# KiCad board panel.kicad_pcb (continued)
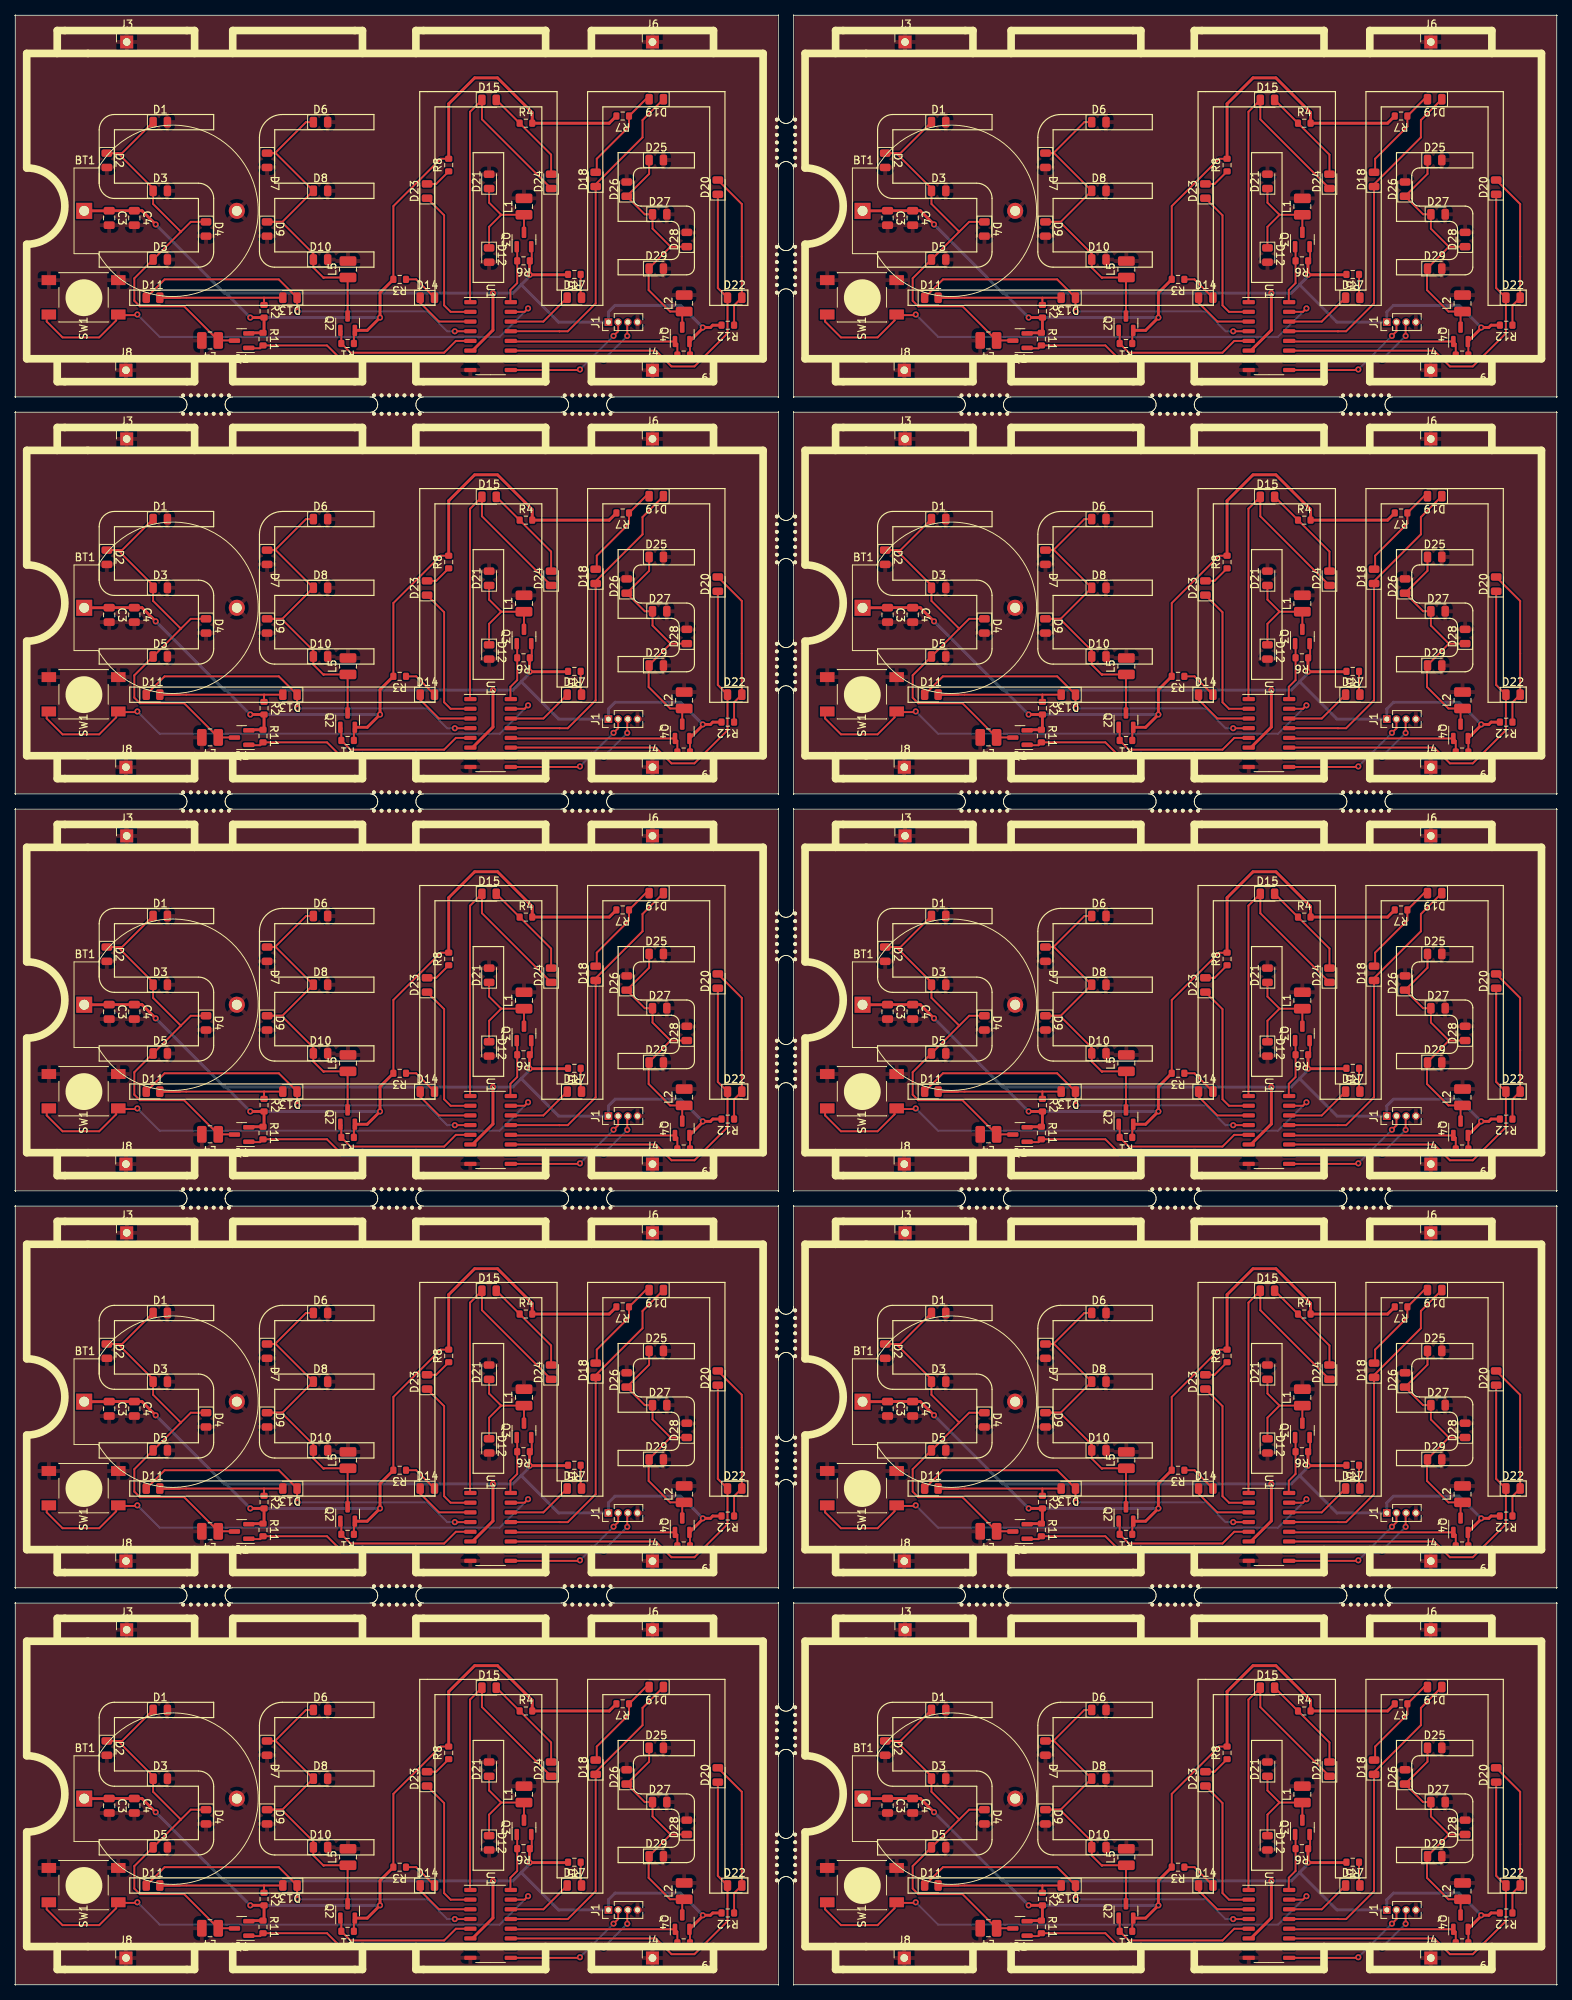
[diagram p0: board, top side]
## Routing (per net, layer and track width the routed paths; a pad name or vN(x,y) marks a point on that pad's centre or on a via; arc(x,y) is an arc through that point) (continued)
Board_7-/LED_EN_5: length 23.5
  Top w0.25: R9#8.2 188.77,58.95 Q4#8.1
  Top w0.254: Q4#8.1 167.01,59.26 U1#8.12
Board_7-/LED_EN_E: length 19.8
  Top w0.254: Q2#8.1 144.72,60.6 144.72,59 145.93,57.8 158.2,57.8 159.74,59.34 U1#8.5
Board_7-/LED_EN_M1: length 47.3
  Top w0.254: v1(159.6,60.6) 161.63,60.6 U1#8.4 ; v1(139,63.2) 138.94,63.26 D13#8.1 136.54,67.4 121.57,67.4 D11#8.1
  Bottom w0.254: v1(139,63.2) 156,63.2 158.6,60.6 v1(159.6,60.6)
Board_7-/LED_EN_M2: length 8.3
  Top w0.254: D14#8.1 155.06,64.34 157.52,61.88 U1#8.3
Board_7-/LED_EN_M3: length 18.8
  Top w0.254: D23#8.1 158.2,75.8 158.2,64 159.05,63.15 U1#8.2
Board_7-/LED_EN_M4: length 42.5
  Top w0.254: D24#8.1 163.15,88.37 D15#8.1 161.6,89.36 161.6,64.45 U1#8.1
Board_7-/LED_EN_M5: length 8.7
  Top w0.254: D17#8.1 171.21,61.88 U1#8.14
Board_7-/LED_EN_M6: length 43.1
  Top w0.254: U1#8.13 173.32,60.61 173.33,60.6 174.4,60.6 178.06,64.26 D18#8.1 178.06,79.86 184.2,86 184.2,88.26 D19#8.1
Board_7-/LED_EN_M7: length 49.8
  Top w0.254: D20#8.1 194.06,66.27 D22#8.1 195.33,60.33 191,56 188,56 185.93,58.07 U1#8.11
Board_7-/LED_EN_S: length 30
  Top w0.254: 161.63,56.8 U1#8.7 144.8,56.8 142.85,58.75 R11#8.2 134.09,58.38 132.65,58.38 Q1#8.1
Board_7-/P3.0: length 17.4
  Top w0.254: U1#8.9 175.93,55.53 v1(176,55.6) ; v1(180.4,60) 181,60.6 J1#8.2
  Bottom w0.254: v1(176,55.6) v1(180.4,60)
Board_7-/P3.1: length 18.4
  Top w0.254: J1#8.3 182.2,61.73 v1(182.2,59.99) ; v1(179.11,56.89) 179.01,56.8 U1#8.10
  Bottom w0.254: v1(179.11,56.89) v1(182.2,59.99)
Board_7-/SW_IN: length 71.6
  Top w0.254: 106.12,62.72 106.12,61.88 108.2,59.8 113,59.8 115.22,62.02 115.22,62.72 117.92,62.72 v1(118,62.8) ; v1(169.2,63.6) 168.75,63.15 U1#8.15
  Bottom w0.254: v1(118,62.8) 120.93,59.87 165.47,59.87 v1(169.2,63.6)
Board_7-Net-(D1-K): length 52.2
  Top w0.25: 115.44,83.94 116,83.94 D1#8.1 ; 115.44,83.94 D2#8.1 ; 115.44,83.94 120.06,79.31 D3#5.1 120.06,77.28 123.7,73.64 ; D4#8.1 125,74.94 123.7,73.64 ; 123.7,73.64 D5#8.1
  Top w0.254: Q1#8.3 130.7,59.4 L4#8.1 124.13,63.87 118.33,63.87 117.6,64.6 117.6,67.54 D5#8.1
Board_7-Net-(D10-K): length 43.4
  Top w0.25: D10#8.1 141.06,70.76 136.89,74.94 D9#8.1 137,74.94 D8#8.1 136.12,83.94 D7#8.1 136.04,83.94 140.1,88 D6#7.1
  Top w0.254: D10#8.1 141.06,68.94 142.4,67.6 142.45,67.65 L5#8.1 145.55,67.6 Q2#8.3
Board_7-Net-(D11-A): length 19.7
  Top w0.25: D13#8.2 D11#8.2
  Top w0.254: R2#8.1 134.6,65 ; D11#8.2 123.58,65
Board_7-Net-(D12-K): length 14.4
  Top w0.25: 165.68,75.87 164.09,74.28 D12#8.1 ; 165.68,75.87 164.09,77.45 D21#8.1 ; 165.68,75.87 L1#8.1 Q3#8.3
Board_7-Net-(D14-A): length 4.9
  Top w0.254: R3#8.1 154.54,67.4 D14#8.2 157.04,64.89
Board_7-Net-(D15-A): length 12.7
  Top w0.254: D24#8.2 172.22,83.74 165.04,90.91 D15#8.2
  Top w0.381: 168.09,87.86 168.08,87.86
Board_7-Net-(D17-A): length 3.1
  Top w0.254: R5#8.1 176.09,65.11 D17#8.2
Board_7-Net-(D18-A): length 12.8
  Top w0.254: D19#8.2 184.62,91 R7#8.1 182.43,87.43 178.2,83.2 178.2,81.57 D18#8.2 ; 185.14,91.2 185.17,91.16
Board_7-Net-(D20-A): length 20.7
  Top w0.254: R12#8.1 196.2,63.99 D22#8.2 197.21,77.27 D20#8.2
Board_7-Net-(D23-A): length 3.5
  Top w0.254: D23#8.2 157.16,79.91 R8#8.1
Board_7-Net-(D25-K): length 32.5
  Top w0.25: 185,66 185,68.81 187.87,71.68 ; Q4#8.3 189.4,62.94 189.65,63.19 ; 187.87,71.68 D28#8.1 ; 187.87,71.68 185.51,74.05 D27.1 184.49,75.92 D26#8.1
  Top w0.254: 185,66 187.81,63.19 189.65,63.19 ; D25#8.1 185.06,81.22 D26#8.1
Board_7-VCC: length 210.6
  Top w0.25: R6#8.1 169.68,70.08 169.68,71.62 Q3#8.2 ; Q4#8.2 190.42,59.2 R9#8.1
  Top w0.254: R1#8.1 146.38,60.6 Q2#8.2 ; R8#8.2 157.75,83.2 151.55,77 R3#8.2
  Top w0.381: 117.41,76.38 117.61,76.18 ; v1(132.8,62.4) R2#8.2 134.6,60.54 R11#8.1 132.68,60.4 Q1#8.2 ; Q2#8.2 148.12,60.72 v1(149.8,62.4) 149.8,65.65 R3#8.2 ; R5#8.2 174.39,68 v1(169.4,68) 169.4,69.8 R6#8.1 ; v1(164.6,65.6) 164.6,60.75 161.91,58.07 U1#8.6 ; R8#8.2 158.8,90.4 162.2,93.8 165.2,93.8 169.74,89.26 R4#8.2 179.84,87.86 R7#8.2 ; R12#8.2 193.4,61.4 193.1,61.1 v1(192.1,61.1) 192.1,61.01 Q4#8.2 ; BT1#8.1 114.29,76.38 C3#8.1 C4#8.1 118.6,76.4 v1(120.4,74.6)
  Bottom w0.381: 168.3,66.7 169.4,67.8 v1(169.4,68) ; 168.3,66.7 173.2,61.8 J1#8.1 179.73,63.13 180.6,64 189.2,64 v1(192.1,61.1) ; 168.3,66.7 167.2,65.6 v1(164.6,65.6) 129.4,65.6 129.2,65.8 ; 129.2,65.8 129.4,65.8 v1(132.8,62.4) v1(149.8,62.4) ; 129.2,65.8 v1(120.4,74.6)
Board_8-/LED_EN_1: length 7.7
  Top w0.25: U1#9.16 64.89,12.47 64.89,14.02 65.78,14.91 R6#9.2 65.78,19.62 Q3#9.1
Board_8-/LED_EN_5: length 23.5
  Top w0.25: R9#9.2 86.77,6.95 Q4#9.1
  Top w0.254: Q4#9.1 65.01,7.26 U1#9.12
Board_8-/LED_EN_E: length 19.8
  Top w0.254: Q2#9.1 42.72,8.6 R1#9.2 43.93,5.8 56.2,5.8 57.74,7.34 U1#9.5
Board_8-/LED_EN_M1: length 47.3
  Top w0.254: v1(57.6,8.6) 59.63,8.6 U1#9.4 ; v1(37,11.2) 36.94,11.26 D13#9.1 34.54,15.4 19.57,15.4 D11#9.1
  Bottom w0.254: v1(37,11.2) 54,11.2 56.6,8.6 v1(57.6,8.6)
Board_8-/LED_EN_M2: length 8.3
  Top w0.254: D14#9.1 53.06,12.34 55.52,9.88 U1#9.3
Board_8-/LED_EN_M3: length 18.8
  Top w0.254: D23#9.1 56.2,23.8 56.2,12 57.05,11.15 U1#9.2
Board_8-/LED_EN_M4: length 42.5
  Top w0.254: D24#9.1 61.15,36.37 D15#9.1 59.6,37.36 59.6,12.45 U1#9.1
Board_8-/LED_EN_M5: length 8.7
  Top w0.254: D17#9.1 69.21,9.88 U1#9.14
Board_8-/LED_EN_M6: length 43.1
  Top w0.254: U1#9.13 71.32,8.61 71.33,8.6 72.4,8.6 76.06,12.26 D18#9.1 76.06,27.86 82.2,34 82.2,36.26 D19#9.1
Board_8-/LED_EN_M7: length 49.8
  Top w0.254: D20#9.1 92.06,14.27 D22#9.1 93.33,8.33 89,4 86,4 83.93,6.07 U1#9.11
Board_8-/LED_EN_S: length 30
  Top w0.254: 59.63,4.8 U1#9.7 42.8,4.8 40.85,6.75 R11#9.2 32.09,6.38 30.65,6.38 Q1#9.1
Board_8-/P3.0: length 17.4
  Top w0.254: U1#9.9 73.93,3.53 v1(74,3.6) ; v1(78.4,8) 79,8.6 J1#9.2
  Bottom w0.254: v1(74,3.6) v1(78.4,8)
Board_8-/P3.1: length 18.4
  Top w0.254: J1#9.3 80.2,9.73 v1(80.2,7.99) ; v1(77.11,4.89) 77.01,4.8 U1#9.10
  Bottom w0.254: v1(77.11,4.89) v1(80.2,7.99)
Board_8-/SW_IN: length 71.6
  Top w0.254: 4.12,10.72 4.12,9.88 6.2,7.8 11,7.8 13.22,10.02 13.22,10.72 15.92,10.72 v1(16,10.8) ; v1(67.2,11.6) 66.75,11.15 U1#9.15
  Bottom w0.254: v1(16,10.8) 18.93,7.87 63.47,7.87 v1(67.2,11.6)
Board_8-Net-(D1-K): length 52.2
  Top w0.25: 13.44,31.94 14,31.94 D1#9.1 ; 13.44,31.94 D2#9.1 ; 13.44,31.94 18.06,27.31 D3#6.1 18.06,25.28 21.7,21.64 ; D4#9.1 23,22.94 21.7,21.64 ; 21.7,21.64 D5#9.1
  Top w0.254: Q1#9.3 28.7,7.4 L4#9.1 22.13,11.87 16.33,11.87 15.6,12.6 15.6,15.54 D5#9.1
Board_8-Net-(D10-K): length 43.4
  Top w0.25: D10#9.1 39.06,18.76 34.89,22.94 D9#9.1 35,22.94 D8#9.1 34.12,31.94 D7#9.1 34.04,31.94 38.1,36 D6#8.1
  Top w0.254: D10#9.1 39.06,16.94 40.4,15.6 40.45,15.65 L5#9.1 43.55,15.6 Q2#9.3
Board_8-Net-(D11-A): length 19.7
  Top w0.25: D13#9.2 D11#9.2
  Top w0.254: R2#9.1 32.6,13 ; D11#9.2 21.58,13
Board_8-Net-(D12-K): length 14.4
  Top w0.25: 63.67,23.87 62.09,22.28 D12#9.1 ; 63.67,23.87 62.09,25.45 D21#9.1 ; 63.67,23.87 L1#9.1 Q3#9.3
Board_8-Net-(D14-A): length 4.9
  Top w0.254: R3#9.1 52.54,15.4 D14#9.2 55.04,12.89
Board_8-Net-(D15-A): length 12.7
  Top w0.254: D24#9.2 70.22,31.74 R4#9.1 63.05,38.91 D15#9.2
  Top w0.381: R4#9.1 66.08,35.86
Board_8-Net-(D17-A): length 3.1
  Top w0.254: R5#9.1 74.09,13.11 D17#9.2
Board_8-Net-(D18-A): length 12.8
  Top w0.254: D19#9.2 82.62,39 R7#9.1 80.42,35.43 76.2,31.2 76.2,29.57 D18#9.2 ; 83.14,39.2 83.17,39.16
Board_8-Net-(D20-A): length 20.7
  Top w0.254: R12#9.1 94.2,11.99 D22#9.2 95.21,25.27 D20#9.2
Board_8-Net-(D23-A): length 3.5
  Top w0.254: D23#9.2 55.16,27.91 R8#9.1
Board_8-Net-(D25-K): length 32.5
  Top w0.25: 83,14 83,16.81 85.87,19.68 ; Q4#9.3 87.4,10.94 L2#9.1 ; 85.87,19.68 D28#9.1 ; 85.87,19.68 83.51,22.05 D27#2.1 82.49,23.92 D26#9.1
  Top w0.254: 83,14 85.81,11.19 L2#9.1 ; D25#9.1 83.06,29.22 D26#9.1
Board_8-VCC: length 210.6
  Top w0.25: R6#9.1 67.68,18.08 67.68,19.62 Q3#9.2 ; Q4#9.2 88.42,7.2 R9#9.1
  Top w0.254: R1#9.1 44.38,8.6 Q2#9.2 ; R8#9.2 55.75,31.2 49.55,25 R3#9.2
  Top w0.381: 15.41,24.38 15.61,24.18 ; v1(30.8,10.4) R2#9.2 32.6,8.54 R11#9.1 30.67,8.4 Q1#9.2 ; Q2#9.2 46.12,8.73 v1(47.8,10.4) 47.8,13.65 R3#9.2 ; R5#9.2 72.39,16 v1(67.4,16) 67.4,17.8 R6#9.1 ; v1(62.6,13.6) 62.6,8.75 59.91,6.07 U1#9.6 ; R8#9.2 56.8,38.4 60.2,41.8 63.2,41.8 67.74,37.26 R4#9.2 77.84,35.86 78.78,36.8 ; R12#9.2 91.4,9.4 91.1,9.1 v1(90.1,9.1) 90.1,9.01 Q4#9.2 ; BT1#9.1 12.29,24.38 C3#9.1 C4#9.1 16.6,24.4 v1(18.4,22.6)
  Bottom w0.381: 66.3,14.7 67.4,15.8 v1(67.4,16) ; 66.3,14.7 71.2,9.8 J1#9.1 77.73,11.13 78.6,12 87.2,12 v1(90.1,9.1) ; 66.3,14.7 65.2,13.6 v1(62.6,13.6) 27.4,13.6 27.2,13.8 ; 27.2,13.8 27.4,13.8 v1(30.8,10.4) v1(47.8,10.4) ; 27.2,13.8 v1(18.4,22.6)
Board_9-/LED_EN_1: length 7.7
  Top w0.25: U1#10.16 166.89,12.47 166.89,14.02 167.78,14.91 R6#10.2 167.78,19.62 Q3#10.1
Board_9-/LED_EN_5: length 23.5
  Top w0.25: R9#10.2 188.77,6.95 Q4#10.1
  Top w0.254: Q4#10.1 167.01,7.26 U1#10.12
Board_9-/LED_EN_E: length 19.8
  Top w0.254: Q2#10.1 144.72,8.6 144.72,7 145.93,5.8 158.2,5.8 159.74,7.34 U1#10.5
Board_9-/LED_EN_M1: length 47.3
  Top w0.254: v1(159.6,8.6) 161.63,8.6 U1#10.4 ; v1(139,11.2) 138.94,11.26 D13#10.1 136.54,15.4 121.57,15.4 D11#10.1
  Bottom w0.254: v1(139,11.2) 156,11.2 158.6,8.6 v1(159.6,8.6)
Board_9-/LED_EN_M2: length 8.3
  Top w0.254: D14#10.1 155.06,12.34 157.52,9.88 U1#10.3
Board_9-/LED_EN_M3: length 18.8
  Top w0.254: D23#10.1 158.2,23.8 158.2,12 159.05,11.15 U1#10.2
Board_9-/LED_EN_M4: length 42.5
  Top w0.254: D24#10.1 163.15,36.37 D15#10.1 161.6,37.36 161.6,12.45 U1#10.1
Board_9-/LED_EN_M5: length 8.7
  Top w0.254: D17#10.1 171.21,9.88 U1#10.14
Board_9-/LED_EN_M6: length 43.1
  Top w0.254: U1#10.13 173.32,8.61 173.33,8.6 174.4,8.6 178.06,12.26 D18#10.1 178.06,27.86 184.2,34 184.2,36.26 D19#10.1
Board_9-/LED_EN_M7: length 49.8
  Top w0.254: D20#10.1 194.06,14.27 D22#10.1 195.33,8.33 191,4 188,4 185.93,6.07 U1#10.11
Board_9-/LED_EN_S: length 30
  Top w0.254: 161.63,4.8 U1#10.7 144.8,4.8 142.85,6.75 R11#10.2 134.09,6.38 132.65,6.38 Q1#10.1
Board_9-/P3.0: length 17.4
  Top w0.254: U1#10.9 175.93,3.53 v1(176,3.6) ; v1(180.4,8) 181,8.6 J1#10.2
  Bottom w0.254: v1(176,3.6) v1(180.4,8)
Board_9-/P3.1: length 18.4
  Top w0.254: J1#10.3 182.2,9.73 v1(182.2,7.99) ; v1(179.11,4.89) 179.01,4.8 U1#10.10
  Bottom w0.254: v1(179.11,4.89) v1(182.2,7.99)
Board_9-/SW_IN: length 71.6
  Top w0.254: 106.12,10.72 106.12,9.88 108.2,7.8 113,7.8 115.22,10.02 115.22,10.72 117.92,10.72 v1(118,10.8) ; v1(169.2,11.6) 168.75,11.15 U1#10.15
  Bottom w0.254: v1(118,10.8) 120.93,7.87 165.47,7.87 v1(169.2,11.6)
Board_9-Net-(D1-K): length 52.2
  Top w0.25: 115.44,31.94 116,31.94 D1#10.1 ; 115.44,31.94 D2#10.1 ; 115.44,31.94 120.06,27.31 D3#7.1 120.06,25.28 123.7,21.64 ; D4#10.1 125,22.94 123.7,21.64 ; 123.7,21.64 D5#10.1
  Top w0.254: Q1#10.3 130.7,7.4 L4#10.1 124.13,11.87 118.33,11.87 117.6,12.6 117.6,15.54 D5#10.1
Board_9-Net-(D10-K): length 43.4
  Top w0.25: D10#10.1 141.06,18.76 136.89,22.94 D9#10.1 137,22.94 D8#10.1 136.12,31.94 D7#10.1 136.04,31.94 140.1,36 D6#9.1
  Top w0.254: D10#10.1 141.06,16.94 142.4,15.6 142.45,15.65 L5#10.1 145.55,15.6 Q2#10.3
Board_9-Net-(D11-A): length 19.7
  Top w0.25: D13#10.2 D11#10.2
  Top w0.254: R2#10.1 134.6,13 ; D11#10.2 123.58,13
Board_9-Net-(D12-K): length 14.4
  Top w0.25: 165.68,23.87 164.09,22.28 D12#10.1 ; 165.68,23.87 164.09,25.45 D21#10.1 ; 165.68,23.87 L1#10.1 Q3#10.3
Board_9-Net-(D14-A): length 4.9
  Top w0.254: R3#10.1 154.54,15.4 D14#10.2 157.04,12.89
Board_9-Net-(D15-A): length 12.7
  Top w0.254: D24#10.2 172.22,31.74 165.04,38.91 D15#10.2
  Top w0.381: 168.09,35.86 168.08,35.86
Board_9-Net-(D17-A): length 3.1
  Top w0.254: R5#10.1 176.09,13.11 D17#10.2
Board_9-Net-(D18-A): length 12.8
  Top w0.254: D19#10.2 184.62,39 R7#10.1 182.43,35.43 178.2,31.2 178.2,29.57 D18#10.2 ; 185.14,39.2 185.17,39.16
Board_9-Net-(D20-A): length 20.7
  Top w0.254: R12#10.1 196.2,11.99 D22#10.2 197.21,25.27 D20#10.2
Board_9-Net-(D23-A): length 3.5
  Top w0.254: D23#10.2 157.16,27.91 R8#10.1
Board_9-Net-(D25-K): length 32.5
  Top w0.25: 185,14 185,16.81 187.87,19.68 ; Q4#10.3 189.4,10.94 L2#10.1 ; 187.87,19.68 D28#10.1 ; 187.87,19.68 185.51,22.05 D27#3.1 184.49,23.92 D26#10.1
  Top w0.254: 185,14 187.81,11.19 L2#10.1 ; D25#10.1 185.06,29.22 D26#10.1
Board_9-VCC: length 210.6
  Top w0.25: R6#10.1 169.68,18.08 169.68,19.62 Q3#10.2 ; Q4#10.2 190.42,7.2 R9#10.1
  Top w0.254: R1#10.1 146.38,8.6 Q2#10.2 ; R8#10.2 157.75,31.2 151.55,25 R3#10.2
  Top w0.381: 117.41,24.38 117.61,24.18 ; v1(132.8,10.4) R2#10.2 134.6,8.54 R11#10.1 132.68,8.4 Q1#10.2 ; Q2#10.2 148.12,8.73 v1(149.8,10.4) 149.8,13.65 R3#10.2 ; R5#10.2 174.39,16 v1(169.4,16) 169.4,17.8 R6#10.1 ; v1(164.6,13.6) 164.6,8.75 161.91,6.07 U1#10.6 ; R8#10.2 158.8,38.4 162.2,41.8 165.2,41.8 169.74,37.26 R4#10.2 179.84,35.86 R7#10.2 ; R12#10.2 193.4,9.4 193.1,9.1 v1(192.1,9.1) 192.1,9.01 Q4#10.2 ; BT1#10.1 114.29,24.38 C3#10.1 C4#10.1 118.6,24.4 v1(120.4,22.6)
  Bottom w0.381: 168.3,14.7 169.4,15.8 v1(169.4,16) ; 168.3,14.7 173.2,9.8 J1#10.1 179.73,11.13 180.6,12 189.2,12 v1(192.1,9.1) ; 168.3,14.7 167.2,13.6 v1(164.6,13.6) 129.4,13.6 129.2,13.8 ; 129.2,13.8 129.4,13.8 v1(132.8,10.4) v1(149.8,10.4) ; 129.2,13.8 v1(120.4,22.6)

## Copper pours and planes (outline as drawn; the poured copper is in the pictures)
Board_0-GND on Top: 99.9,208.1 0.1,208.1 0.1,257.9 99.9,257.9
Board_1-GND on Top: 201.9,208.1 102.1,208.1 102.1,257.9 201.9,257.9
Board_2-GND on Top: 99.9,156.1 0.1,156.1 0.1,205.9 99.9,205.9
Board_3-GND on Top: 201.9,156.1 102.1,156.1 102.1,205.9 201.9,205.9
Board_4-GND on Top: 99.9,104.1 0.1,104.1 0.1,153.9 99.9,153.9
Board_5-GND on Top: 201.9,104.1 102.1,104.1 102.1,153.9 201.9,153.9
Board_6-GND on Top: 99.9,52.1 0.1,52.1 0.1,101.9 99.9,101.9
Board_7-GND on Top: 201.9,52.1 102.1,52.1 102.1,101.9 201.9,101.9
Board_8-GND on Top: 99.9,0.1 0.1,0.1 0.1,49.9 99.9,49.9
Board_9-GND on Top: 201.9,0.1 102.1,0.1 102.1,49.9 201.9,49.9
